# Allegro board S071AA-0413-20260427_Power.brd (continued)
## Routing (per net, layer and track width the routed paths; a pad name or vN(x,y) marks a point on that pad's centre or on a via; arc(x,y) is an arc through that point) (continued)
23.94,332.74 ; CSDPS229.B14 22.32,332.74 ; D118.B5 25.67,79.55 ; D118.B5 24.86,78.74 ; D118.B5 25.67,77.93 ; D118.B5 26.48,78.74 ; 14.7,78.74 D118.B1 ; D118.B1 16.32,78.74 ; D118.B1 15.51,79.55 ; D118.B1 15.51,77.93 ; D101.A15 198.39,94.79 ; D101.A15 198.39,93.17 ; D101.A15 197.58,93.98 ; D101.A15 199.2,93.98 ; CSDPS225.B8 112.84,332.74 ; CSDPS225.B8 112.03,333.55 ; CSDPS225.B8 111.22,332.74 ; CSDPS225.B8 112.03,331.93 ; 95.98,55.88 D123.A4 ; D123.A4 97.6,55.88 ; D123.A4 96.79,55.07 ; D123.A4 96.79,56.69 ; D102.B4 170.45,82.09 ; D102.B4 169.64,81.28 ; D102.B4 171.26,81.28 ; D102.B4 170.45,80.47 ; UHC230.G3_4 47.83,354.35 ; UHC230.G3_4 48.64,353.54 ; UHC230.G3_4 47.83,352.73 ; UHC230.G3_4 47.02,353.54 ; D432.A13 25.67,407.21 ; D432.A13 24.86,406.4 ; D432.A13 25.67,405.59 ; D432.A13 26.48,406.4 ; 29.94,330.2 CSDPS229.C11 ; CSDPS229.C11 31.56,330.2 ; CSDPS229.C11 30.75,329.39 ; CSDPS229.C11 30.75,331.01 ; 189.96,96.52 D101.A12 ; D101.A12 190.77,95.71 ; D101.A12 191.58,96.52 ; D101.A12 190.77,97.33 ; 175.53,387.81 D116.B12 ; D116.B12 176.34,388.62 ; D116.B12 175.53,389.43 ; D116.B12 174.72,388.62 ; 193.31,98.25 D101.B13 ; D101.B13 192.5,99.06 ; D101.B13 194.12,99.06 ; D101.B13 193.31,99.87 ; 276.32,391.16 D112.B1 ; D112.B1 277.13,391.97 ; D112.B1 277.13,390.35 ; D112.B1 277.94,391.16 ; D227.A15 94.25,376.73 ; D227.A15 95.06,375.92 ; D227.A15 93.44,375.92 ; D227.A15 94.25,375.11 ; 190.77,39.83 D104.B12 ; D104.B12 191.58,40.64 ; D104.B12 189.96,40.64 ; D104.B12 190.77,41.45 ; 89.17,370.03 D227.B17 ; D227.B17 89.98,370.84 ; D227.B17 89.17,371.65 ; D227.B17 88.36,370.84 ; D119.B12 44.26,60.96 ; D119.B12 43.45,61.77 ; D119.B12 42.64,60.96 ; D119.B12 43.45,60.15 ; 261.08,19.05 DPS1.C11 ; DPS1.C11 261.89,18.24 ; DPS1.C11 262.7,19.05 ; DPS1.C11 261.89,19.86 ; D110.A16 239.03,353.87 ; D110.A16 238.22,353.06 ; D110.A16 239.03,352.25 ; D110.A16 239.84,353.06 ; 180.61,347.17 D114.B10 ; D114.B10 179.8,347.98 ; D114.B10 181.42,347.98 ; D114.B10 180.61,348.79 ; D428.A17 89.17,407.21 ; D428.A17 88.36,406.4 ; D428.A17 89.17,405.59 ; D428.A17 89.98,406.4 ; 45.18,370.84 D231.B5 ; D231.B5 45.99,371.65 ; D231.B5 45.99,370.03 ; D231.B5 46.8,370.84 ; D431.B15 20.59,381.81 ; D431.B15 20.59,380.19 ; D431.B15 19.78,381 ; D431.B15 21.4,381 ; D119.A1 16.32,53.34 ; D119.A1 15.51,54.15 ; D119.A1 14.7,53.34 ; D119.A1 15.51,52.53 ; UHC230.G3_8 45.19,351.79 ; UHC230.G3_8 43.57,351.79 ; UHC230.G3_8 44.38,352.6 ; UHC230.G3_8 44.38,350.98 ; 24.86,401.32 D432.B13 ; D432.B13 26.48,401.32 ; D432.B13 25.67,402.13 ; D432.B13 25.67,400.51 ; D119.A8 34.1,55.88 ; D119.A8 33.29,55.07 ; D119.A8 32.48,55.88 ; D119.A8 33.29,56.69 ; D110.B12 250,347.98 ; D110.B12 249.19,348.79 ; D110.B12 249.19,347.17 ; D110.B12 248.38,347.98 ; 200.12,347.98 D114.B2 ; D114.B2 201.74,347.98 ; D114.B2 200.93,347.17 ; D114.B2 200.93,348.79 ; 189.96,347.98 D114.B6 ; D114.B6 190.77,348.79 ; D114.B6 190.77,347.17 ; D114.B6 191.58,347.98 ; D227.B15 94.25,371.65 ; D227.B15 93.44,370.84 ; D227.B15 95.06,370.84 ; D227.B15 94.25,370.03 ; 101.87,352.25 CSDPS226.B12 ; CSDPS226.B12 101.87,353.87 ; CSDPS226.B12 101.06,353.06 ; CSDPS226.B12 102.68,353.06 ; D122.A5 100.14,73.66 ; D122.A5 99.33,74.47 ; D122.A5 98.52,73.66 ; D122.A5 99.33,72.85 ; D227.B9 110.3,370.84 ; D227.B9 109.49,371.65 ; D227.B9 108.68,370.84 ; D227.B9 109.49,370.03 ; D102.A16 201.74,76.2 ; D102.A16 200.93,77.01 ; D102.A16 200.93,75.39 ; D102.A16 200.12,76.2 ; 167.1,38.1 D104.B3 ; D104.B3 168.72,38.1 ; D104.B3 167.91,38.91 ; D104.B3 167.91,37.29 ; D108.A11 261.89,33.83 ; D108.A11 262.7,33.02 ; D108.A11 261.08,33.02 ; D108.A11 261.89,32.21 ; 35.83,405.59 D432.A9 ; D432.A9 36.64,406.4 ; D432.A9 35.83,407.21 ; D432.A9 35.02,406.4 ; 124.73,349.71 CSDPS226.C3 ; CSDPS226.C3 123.92,350.52 ; CSDPS226.C3 124.73,351.33 ; CSDPS226.C3 125.54,350.52 ; 202.66,412.75 DPS2.B01 ; DPS2.B01 204.28,412.75 ; DPS2.B01 203.47,413.56 ; DPS2.B01 203.47,411.94 ; D231.A3 51.88,375.92 ; D231.A3 51.07,375.11 ; D231.A3 51.07,376.73 ; D231.A3 50.26,375.92 ; 108.68,99.06 D121.B9 ; D121.B9 109.49,99.87 ; D121.B9 109.49,98.25 ; D121.B9 110.3,99.06 ; D118.B15 51.88,78.74 ; D118.B15 51.07,79.55 ; D118.B15 51.07,77.93 ; D118.B15 50.26,78.74 ; 251.73,354.79 D110.A11 ; D110.A11 251.73,356.41 ; D110.A11 250.92,355.6 ; D110.A11 252.54,355.6 ; D114.B9 183.15,351.33 ; D114.B9 182.34,350.52 ; D114.B9 183.96,350.52 ; D114.B9 183.15,349.71 ; D227.B1 130.62,370.84 ; D227.B1 129.81,371.65 ; D227.B1 129,370.84 ; D227.B1 129.81,370.03 ; 38.37,75.39 D118.A10 ; D118.A10 39.18,76.2 ; D118.A10 37.56,76.2 ; D118.A10 38.37,77.01 ; 108.68,53.34 D123.A9 ; D123.A9 109.49,54.15 ; D123.A9 109.49,52.53 ; D123.A9 110.3,53.34 ; D118.A13 45.99,74.47 ; D118.A13 46.8,73.66 ; D118.A13 45.99,72.85 ; D118.A13 45.18,73.66 ; D117.B12 44.26,101.6 ; D117.B12 43.45,102.41 ; D117.B12 43.45,100.79 ; D117.B12 42.64,101.6 ; D119.B15 51.07,59.23 ; D119.B15 51.88,58.42 ; D119.B15 50.26,58.42 ; D119.B15 51.07,57.61 ; DPS3.A05 100.14,13.97 ; DPS3.A05 99.33,14.78 ; DPS3.A05 99.33,13.16 ; DPS3.A05 98.52,13.97 ; D118.B11 41.72,78.74 ; D118.B11 40.1,78.74 ; D118.B11 40.91,77.93 ; D118.B11 40.91,79.55 ; 22.32,81.28 D118.B4 ; D118.B4 23.13,80.47 ; D118.B4 23.13,82.09 ; D118.B4 23.94,81.28 ; D432.B14 23.94,398.78 ; D432.B14 23.13,399.59 ; D432.B14 23.13,397.97 ; D432.B14 22.32,398.78 ; 129,330.2 CSDPS225.C1 ; CSDPS225.C1 129.81,331.01 ; CSDPS225.C1 129.81,329.39 ; CSDPS225.C1 130.62,330.2 ; 20.59,385.27 D431.A15 ; D431.A15 19.78,386.08 ; D431.A15 21.4,386.08 ; D431.A15 20.59,386.89 ; 172.18,78.74 D102.B5 ; D102.B5 172.99,79.55 ; D102.B5 173.8,78.74 ; D102.B5 172.99,77.93 ; D101.A14 195.85,97.33 ; D101.A14 195.04,96.52 ; D101.A14 196.66,96.52 ; D101.A14 195.85,95.71 ; 172.99,390.35 D116.B13 ; D116.B13 173.8,391.16 ; D116.B13 172.18,391.16 ; D116.B13 172.99,391.97 ; D107.A7 251.73,54.15 ; D107.A7 251.73,52.53 ; D107.A7 250.92,53.34 ; D107.A7 252.54,53.34 ; D101.B5 172.99,99.87 ; D101.B5 172.99,98.25 ; D101.B5 173.8,99.06 ; D101.B5 172.18,99.06 ; D428.B3 124.73,402.13 ; D428.B3 123.92,401.32 ; D428.B3 124.73,400.51 ; D428.B3 125.54,401.32 ; 106.95,367.49 D227.B10 ; D227.B10 106.14,368.3 ; D227.B10 107.76,368.3 ; D227.B10 106.95,369.11 ; D122.A16 127.27,77.01 ; D122.A16 126.46,76.2 ; D122.A16 127.27,75.39 ; D122.A16 128.08,76.2 ; D104.A6 175.53,36.37 ; D104.A6 176.34,35.56 ; D104.A6 175.53,34.75 ; D104.A6 174.72,35.56 ; 28.21,55.07 D119.A6 ; D119.A6 29.02,55.88 ; D119.A6 27.4,55.88 ; D119.A6 28.21,56.69 ; D121.A10 112.84,96.52 ; D121.A10 112.03,95.71 ; D121.A10 112.03,97.33 ; D121.A10 111.22,96.52 ; D427.A1 129.81,386.89 ; D427.A1 130.62,386.08 ; D427.A1 129.81,385.27 ; D427.A1 129,386.08 ; DPS3.B01 89.98,16.51 ; DPS3.B01 89.17,17.32 ; DPS3.B01 89.17,15.7 ; DPS3.B01 88.36,16.51 ; 188.23,349.71 D114.B7 ; D114.B7 187.42,350.52 ; D114.B7 188.23,351.33 ; D114.B7 189.04,350.52 ; D103.A4 170.45,56.69 ; D103.A4 171.26,55.88 ; D103.A4 169.64,55.88 ; D103.A4 170.45,55.07 ; D431.A3 51.88,386.08 ; D431.A3 50.26,386.08 ; D431.A3 51.07,385.27 ; D431.A3 51.07,386.89 ; 48.53,392.89 D232.A4 ; D232.A4 48.53,394.51 ; D232.A4 47.72,393.7 ; D232.A4 49.34,393.7 ; 245.84,19.05 DPS1.C05 ; DPS1.C05 246.65,19.86 ; DPS1.C05 247.46,19.05 ; DPS1.C05 246.65,18.24 ; D106.B11 262.7,78.74 ; D106.B11 261.08,78.74 ; D106.B11 261.89,79.55 ; D106.B11 261.89,77.93 ; D108.A10 259.35,36.37 ; D108.A10 260.16,35.56 ; D108.A10 259.35,34.75 ; D108.A10 258.54,35.56 ; CSDPS226.C1 129.81,351.33 ; CSDPS226.C1 130.62,350.52 ; CSDPS226.C1 129.81,349.71 ; CSDPS226.C1 129,350.52 ; D232.B3 51.07,391.97 ; D232.B3 51.07,390.35 ; D232.B3 50.26,391.16 ; D232.B3 51.88,391.16 ; D106.A1 236.49,74.47 ; D106.A1 236.49,72.85 ; D106.A1 235.68,73.66 ; D106.A1 237.3,73.66 ; 195.85,347.17 D114.B4 ; D114.B4 196.66,347.98 ; D114.B4 195.04,347.98 ; D114.B4 195.85,348.79 ; 202.66,396.24 D116.A1 ; D116.A1 203.47,397.05 ; D116.A1 204.28,396.24 ; D116.A1 203.47,395.43 ; D117.A8 33.29,97.33 ; D117.A8 34.1,96.52 ; D117.A8 32.48,96.52 ; D117.A8 33.29,95.71 ; 35.83,32.21 D120.A9 ; D120.A9 35.83,33.83 ; D120.A9 36.64,33.02 ; D120.A9 35.02,33.02 ; D427.A5 120.46,386.08 ; D427.A5 119.65,386.89 ; D427.A5 119.65,385.27 ; D427.A5 118.84,386.08 ; D105.A15 272.86,93.98 ; D105.A15 272.05,93.17 ; D105.A15 272.05,94.79 ; D105.A15 271.24,93.98 ; 187.42,335.28 D113.A7 ; D113.A7 188.23,334.47 ; D113.A7 189.04,335.28 ; D113.A7 188.23,336.09 ; D431.B2 53.61,379.27 ; D431.B2 53.61,377.65 ; D431.B2 52.8,378.46 ; D431.B2 54.42,378.46 ; D115.A11 178.88,375.92 ; D115.A11 177.26,375.92 ; D115.A11 178.07,376.73 ; D115.A11 178.07,375.11 ; UHC230.G4_1 19.99,355.29 ; UHC230.G4_1 18.37,355.29 ; UHC230.G4_1 19.18,356.1 ; UHC230.G4_1 19.18,354.48 ; D104.B2 166.18,40.64 ; D104.B2 164.56,40.64 ; D104.B2 165.37,39.83 ; D104.B2 165.37,41.45 ; 106.14,342.9 CSDPS425.B10 ; CSDPS425.B10 106.95,342.09 ; CSDPS425.B10 106.95,343.71 ; CSDPS425.B10 107.76,342.9 ; 126.46,35.56 D124.A16 ; D124.A16 127.27,36.37 ; D124.A16 128.08,35.56 ; D124.A16 127.27,34.75 ; 266.97,370.03 D111.B5 ; D111.B5 266.97,371.65 ; D111.B5 266.16,370.84 ; D111.B5 267.78,370.84 ; 195.85,331.93 D113.A4 ; D113.A4 196.66,332.74 ; D113.A4 195.04,332.74 ; D113.A4 195.85,333.55 ; 28.21,39.83 D120.B6 ; D120.B6 27.4,40.64 ; D120.B6 28.21,41.45 ; D120.B6 29.02,40.64 ; 188.23,72.85 D102.A11 ; D102.A11 189.04,73.66 ; D102.A11 187.42,73.66 ; D102.A11 188.23,74.47 ; 172.18,370.84 D115.B13 ; D115.B13 173.8,370.84 ; D115.B13 172.99,371.65 ; D115.B13 172.99,370.03 ; DPS2.C11 178.07,411.02 ; DPS2.C11 177.26,410.21 ; DPS2.C11 178.88,410.21 ; DPS2.C11 178.07,409.4 ; 98.52,386.08 D427.A13 ; D427.A13 99.33,385.27 ; D427.A13 99.33,386.89 ; D427.A13 100.14,386.08 ; 251.73,334.47 D109.A11 ; D109.A11 252.54,335.28 ; D109.A11 250.92,335.28 ; D109.A11 251.73,336.09 ; CSDPS425.C1 129.81,341.17 ; CSDPS425.C1 129,340.36 ; CSDPS425.C1 130.62,340.36 ; CSDPS425.C1 129.81,339.55 ; 264.43,367.49 D111.B6 ; D111.B6 264.43,369.11 ; D111.B6 263.62,368.3 ; D111.B6 265.24,368.3 ; D122.A6 102.68,76.2 ; D122.A6 101.87,75.39 ; D122.A6 101.06,76.2 ; D122.A6 101.87,77.01 ; D120.B15 51.88,38.1 ; D120.B15 50.26,38.1 ; D120.B15 51.07,38.91 ; D120.B15 51.07,37.29 ; 272.05,77.93 D106.B15 ; D106.B15 272.86,78.74 ; D106.B15 272.05,79.55 ; D106.B15 271.24,78.74 ; 45.53,352.73 UHC230.G3_5 ; UHC230.G3_5 45.53,354.35 ; UHC230.G3_5 44.72,353.54 ; UHC230.G3_5 46.34,353.54 ; 40.91,370.03 D231.B7 ; D231.B7 40.1,370.84 ; D231.B7 41.72,370.84 ; D231.B7 40.91,371.65 ; D110.A13 247.46,355.6 ; D110.A13 245.84,355.6 ; D110.A13 246.65,356.41 ; D110.A13 246.65,354.79 ; D427.B3 125.54,381 ; D427.B3 123.92,381 ; D427.B3 124.73,381.81 ; D427.B3 124.73,380.19 ; CSDPS226.B4 122.19,353.87 ; CSDPS226.B4 123,353.06 ; CSDPS226.B4 122.19,352.25 ; CSDPS226.B4 121.38,353.06 ; 52.8,368.3 D231.B2 ; D231.B2 54.42,368.3 ; D231.B2 53.61,367.49 ; D231.B2 53.61,369.11 ; D115.B15 168.72,370.84 ; D115.B15 167.91,370.03 ; D115.B15 167.1,370.84 ; D115.B15 167.91,371.65 ; D108.A6 249.19,36.37 ; D108.A6 248.38,35.56 ; D108.A6 250,35.56 ; D108.A6 249.19,34.75 ; 259.35,392.89 D112.A8 ; D112.A8 259.35,394.51 ; D112.A8 260.16,393.7 ; D112.A8 258.54,393.7 ; D103.A9 183.15,54.15 ; D103.A9 183.96,53.34 ; D103.A9 183.15,52.53 ; D103.A9 182.34,53.34 ; D114.A11 178.88,355.6 ; D114.A11 177.26,355.6 ; D114.A11 178.07,354.79 ; D114.A11 178.07,356.41 ; D114.A14 171.26,353.06 ; D114.A14 170.45,353.87 ; D114.A14 169.64,353.06 ; D114.A14 170.45,352.25 ; DPS1.C01 237.3,19.05 ; DPS1.C01 236.49,18.24 ; DPS1.C01 236.49,19.86 ; DPS1.C01 235.68,19.05 ; 16.88,357.64 UHC430.G1_12 ; UHC430.G1_12 16.07,358.45 ; UHC430.G1_12 17.69,358.45 ; UHC430.G1_12 16.88,359.26 ; 178.07,414.48 DPS2.A11 ; DPS2.A11 178.07,416.1 ; DPS2.A11 178.88,415.29 ; DPS2.A11 177.26,415.29 ; D112.B13 246.65,391.97 ; D112.B13 246.65,390.35 ; D112.B13 247.46,391.16 ; D112.B13 245.84,391.16 ; 269.51,347.17 D110.B4 ; D110.B4 269.51,348.79 ; D110.B4 268.7,347.98 ; D110.B4 270.32,347.98 ; D431.A10 33.29,384.35 ; D431.A10 34.1,383.54 ; D431.A10 33.29,382.73 ; D431.A10 32.48,383.54 ; 108.68,375.92 D227.A9 ; D227.A9 109.49,376.73 ; D227.A9 109.49,375.11 ; D227.A9 110.3,375.92 ; 167.1,415.29 DPS2.A15 ; DPS2.A15 168.72,415.29 ; DPS2.A15 167.91,416.1 ; DPS2.A15 167.91,414.48 ; 94.25,405.59 D428.A15 ; D428.A15 94.25,407.21 ; D428.A15 95.06,406.4 ; D428.A15 93.44,406.4 ; D113.A3 198.39,336.09 ; D113.A3 197.58,335.28 ; D113.A3 198.39,334.47 ; D113.A3 199.2,335.28 ; D120.A16 54.42,35.56 ; D120.A16 52.8,35.56 ; D120.A16 53.61,36.37 ; D120.A16 53.61,34.75 ; D116.A3 199.2,396.24 ; D116.A3 197.58,396.24 ; D116.A3 198.39,395.43 ; D116.A3 198.39,397.05 ; D431.A8 38.37,384.35 ; D431.A8 37.56,383.54 ; D431.A8 39.18,383.54 ; D431.A8 38.37,382.73 ; 124.73,329.39 CSDPS225.C3 ; CSDPS225.C3 125.54,330.2 ; CSDPS225.C3 123.92,330.2 ; CSDPS225.C3 124.73,331.01 ; 27.4,35.56 D120.A6 ; D120.A6 29.02,35.56 ; D120.A6 28.21,34.75 ; D120.A6 28.21,36.37 ; D122.A3 95.06,73.66 ; D122.A3 94.25,72.85 ; D122.A3 94.25,74.47 ; D122.A3 93.44,73.66 ; DPS8.C01 56.15,411.02 ; DPS8.C01 55.34,410.21 ; DPS8.C01 56.96,410.21 ; DPS8.C01 56.15,409.4 ; D107.A16 275.4,55.88 ; D107.A16 274.59,55.07 ; D107.A16 273.78,55.88 ; D107.A16 274.59,56.69 ; 22.32,368.3 D231.B14 ; D231.B14 23.94,368.3 ; D231.B14 23.13,367.49 ; D231.B14 23.13,369.11 ; 19.78,406.4 D432.A15 ; D432.A15 21.4,406.4 ; D432.A15 20.59,407.21 ; D432.A15 20.59,405.59 ; 37.56,388.62 D232.B8 ; D232.B8 38.37,389.43 ; D232.B8 39.18,388.62 ; D232.B8 38.37,387.81 ; D101.B6 175.53,102.41 ; D101.B6 175.53,100.79 ; D101.B6 176.34,101.6 ; UHC230.G4_12 17.69,348.29 ; UHC230.G4_12 16.88,349.1 ; UHC230.G4_12 16.07,348.29 ; UHC230.G4_12 16.88,347.48 ; 50.26,99.06 D117.B15 ; D117.B15 51.07,99.87 ; D117.B15 51.07,98.25 ; 174.72,332.74 D113.A12 ; D113.A12 175.53,331.93 ; D113.A12 176.34,332.74 ; D113.A12 175.53,333.55 ; 187.42,78.74 D102.B11 ; D102.B11 188.23,77.93 ; D102.B11 188.23,79.55 ; D102.B11 189.04,78.74 ; 274.59,60.15 D107.B16 ; D107.B16 273.78,60.96 ; D107.B16 274.59,61.77 ; D107.B16 275.4,60.96 ; D122.B7 105.22,78.74 ; D122.B7 104.41,77.93 ; D122.B7 103.6,78.74 ; D122.B7 104.41,79.55 ; CSDPS425.B6 117.92,342.9 ; CSDPS425.B6 117.11,343.71 ; CSDPS425.B6 116.3,342.9 ; CSDPS425.B6 117.11,342.09 ; D101.A16 200.93,97.33 ; D101.A16 200.93,95.71 ; D101.A16 201.74,96.52 ; D101.A16 200.12,96.52 ; 111.22,383.54 D427.A8 ; D427.A8 112.84,383.54 ; D427.A8 112.03,384.35 ; D427.A8 112.03,382.73 ; 198.39,77.93 D102.B15 ; D102.B15 199.2,78.74 ; D102.B15 198.39,79.55 ; D102.B15 197.58,78.74 ; D102.A15 199.2,73.66 ; D102.A15 198.39,72.85 ; D102.A15 198.39,74.47 ; D102.A15 197.58,73.66 ; 35.02,38.1 D120.B9 ; D120.B9 35.83,37.29 ; D120.B9 35.83,38.91 ; D120.B9 36.64,38.1 ; 254.27,331.93 D109.A10 ; D109.A10 253.46,332.74 ; D109.A10 255.08,332.74 ; D109.A10 254.27,333.55 ; 200.93,331.93 D113.A2 ; D113.A2 200.12,332.74 ; D113.A2 200.93,333.55 ; D113.A2 201.74,332.74 ; 256.81,52.53 D107.A9 ; D107.A9 256.81,54.15 ; D107.A9 257.62,53.34 ; D107.A9 256,53.34 ; D106.B16 274.59,82.09 ; D106.B16 275.4,81.28 ; D106.B16 273.78,81.28 ; D106.B16 274.59,80.47 ; 24.86,330.2 CSDPS229.C13 ; CSDPS229.C13 25.67,331.01 ; CSDPS229.C13 25.67,329.39 ; CSDPS229.C13 26.48,330.2 ; 245.84,16.51 DPS1.B05 ; DPS1.B05 246.65,17.32 ; DPS1.B05 247.46,16.51 ; DPS1.B05 246.65,15.7 ; 169.64,96.52 D101.A4 ; D101.A4 170.45,97.33 ; D101.A4 171.26,96.52 ; D101.A4 170.45,95.71 ; D119.A7 31.56,53.34 ; D119.A7 30.75,52.53 ; D119.A7 29.94,53.34 ; D119.A7 30.75,54.15 ; 269.51,55.07 D107.A14 ; D107.A14 270.32,55.88 ; D107.A14 268.7,55.88 ; D107.A14 269.51,56.69 ; 185.69,80.47 D102.B10 ; D102.B10 186.5,81.28 ; D102.B10 184.88,81.28 ; D102.B10 185.69,82.09 ; D124.B9 110.3,38.1 ; D124.B9 109.49,38.91 ; D124.B9 108.68,38.1 ; D124.B9 109.49,37.29 ; 253.46,101.6 D105.B8 ; D105.B8 255.08,101.6 ; D105.B8 254.27,102.41 ; D105.B8 254.27,100.79 ; 29.94,396.24 D232.A11 ; D232.A11 31.56,396.24 ; D232.A11 30.75,397.05 ; D232.A11 30.75,395.43 ; 245.84,375.92 D111.A13 ; D111.A13 247.46,375.92 ; D111.A13 246.65,375.11 ; D111.A13 246.65,376.73 ; D105.A14 270.32,96.52 ; D105.A14 268.7,96.52 ; D105.A14 269.51,95.71 ; D105.A14 269.51,97.33 ; D427.B12 101.87,379.27 ; D427.B12 102.68,378.46 ; D427.B12 101.06,378.46 ; D427.B12 101.87,377.65 ; 17.24,342.9 CSDPS429.B16 ; CSDPS429.B16 18.05,342.09 ; CSDPS429.B16 18.86,342.9 ; CSDPS429.B16 18.05,343.71 ; UHC430.G1_8 15.39,361.95 ; UHC430.G1_8 14.58,361.14 ; UHC430.G1_8 14.58,362.76 ; UHC430.G1_8 13.77,361.95 ; 28.21,372.57 D231.A12 ; D231.A12 27.4,373.38 ; D231.A12 29.02,373.38 ; D231.A12 28.21,374.19 ; 20.59,329.39 CSDPS229.C15 ; CSDPS229.C15 20.59,331.01 ; CSDPS229.C15 21.4,330.2 ; CSDPS229.C15 19.78,330.2 ; 175.53,80.47 D102.B6 ; D102.B6 176.34,81.28 ; D102.B6 174.72,81.28 ; D102.B6 175.53,82.09 ; 198.39,370.03 D115.B3 ; D115.B3 197.58,370.84 ; D115.B3 199.2,370.84 ; D115.B3 198.39,371.65 ; D228.A3 124.73,397.05 ; D228.A3 124.73,395.43 ; D228.A3 123.92,396.24 ; D228.A3 125.54,396.24 ; DPS8.A11 31.56,415.29 ; DPS8.A11 30.75,416.1 ; DPS8.A11 30.75,414.48 ; DPS8.A11 29.94,415.29 ; 95.98,332.74 CSDPS225.B14 ; CSDPS225.B14 96.79,333.55 ; CSDPS225.B14 97.6,332.74 ; CSDPS225.B14 96.79,331.93 ; 248.38,368.3 D111.B12 ; D111.B12 249.19,369.11 ; D111.B12 250,368.3 ; D111.B12 249.19,367.49 ; 118.84,73.66 D122.A13 ; D122.A13 119.65,74.47 ; D122.A13 120.46,73.66 ; D122.A13 119.65,72.85 ; 113.76,406.4 D428.A7 ; D428.A7 114.57,407.21 ; D428.A7 115.38,406.4 ; D428.A7 114.57,405.59 ; D110.B1 277.13,351.33 ; D110.B1 277.94,350.52 ; D110.B1 276.32,350.52 ; D110.B1 277.13,349.71 ; 114.57,77.93 D122.B11 ; D122.B11 115.38,78.74 ; D122.B11 113.76,78.74 ; D122.B11 114.57,79.55 ; CSDPS229.C9 36.64,330.2 ; CSDPS229.C9 35.83,331.01 ; CSDPS229.C9 35.02,330.2 ; CSDPS229.C9 35.83,329.39 ; 241.57,98.25 D105.B3 ; D105.B3 240.76,99.06 ; D105.B3 242.38,99.06 ; D105.B3 241.57,99.87 ; CSDPS226.B16 91.71,353.87 ; CSDPS226.B16 92.52,353.06 ; CSDPS226.B16 90.9,353.06 ; CSDPS226.B16 91.71,352.25 ; 52.8,40.64 D120.B16 ; D120.B16 54.42,40.64 ; D120.B16 53.61,39.83 ; D120.B16 53.61,41.45 ; D108.B7 252.54,38.1 ; D108.B7 251.73,37.29 ; D108.B7 251.73,38.91 ; D108.B7 250.92,38.1 ; 179.8,353.06 D114.A10 ; D114.A10 180.61,353.87 ; D114.A10 181.42,353.06 ; D114.A10 180.61,352.25 ; 88.36,391.16 D228.B17 ; D228.B17 89.17,390.35 ; D228.B17 89.17,391.97 ; D228.B17 89.98,391.16 ; 273.78,347.98 D110.B2 ; D110.B2 274.59,347.17 ; D110.B2 274.59,348.79 ; D110.B2 275.4,347.98 ; 116.3,101.6 D121.B12 ; D121.B12 117.11,102.41 ; D121.B12 117.11,100.79 ; D121.B12 117.92,101.6 ; 25.67,37.29 D120.B5 ; D120.B5 25.67,38.91 ; D120.B5 24.86,38.1 ; D120.B5 26.48,38.1
  L04_DGND w0.203: 129.81,339.55 CSDPS425.C1 ; CSDPS425.C1 129,340.36 ; CSDPS425.C1 130.62,340.36 ; CSDPS425.C1 129.81,341.17 ; 126.46,35.56 D124.A16 ; D124.A16 127.27,34.75 ; D124.A16 127.27,36.37 ; D124.A16 128.08,35.56 ; D119.A7 31.56,53.34 ; D119.A7 30.75,54.15 ; D119.A7 29.94,53.34 ; D119.A7 30.75,52.53 ; D106.B12 264.43,82.09 ; D106.B12 265.24,81.28 ; D106.B12 264.43,80.47 ; D106.B12 263.62,81.28 ; 96.79,352.25 CSDPS226.B14 ; CSDPS226.B14 97.6,353.06 ; CSDPS226.B14 95.98,353.06 ; CSDPS226.B14 96.79,353.87 ; UHC230.G4_11 19.99,348.29 ; UHC230.G4_11 19.18,349.1 ; UHC230.G4_11 19.18,347.48 ; UHC230.G4_11 18.37,348.29 ; 96.79,377.65 D427.B14 ; D427.B14 96.79,379.27 ; D427.B14 95.98,378.46 ; D427.B14 97.6,378.46 ; D107.A7 251.73,54.15 ; D107.A7 250.92,53.34 ; D107.A7 251.73,52.53 ; D107.A7 252.54,53.34 ; D112.A16 239.84,393.7 ; D112.A16 238.22,393.7 ; D112.A16 239.03,394.51 ; D112.A16 239.03,392.89 ; 248.38,101.6 D105.B6 ; D105.B6 249.19,102.41 ; D105.B6 250,101.6 ; D105.B6 249.19,100.79 ; 33.29,377.65 D431.B10 ; D431.B10 33.29,379.27 ; D431.B10 34.1,378.46 ; D431.B10 32.48,378.46 ; 238.22,353.06 D110.A16 ; D110.A16 239.03,353.87 ; D110.A16 239.03,352.25 ; D110.A16 239.84,353.06 ; D101.A16 201.74,96.52 ; D101.A16 200.93,95.71 ; D101.A16 200.12,96.52 ; D101.A16 200.93,97.33 ; UHC430.G1 17.69,361.95 ; UHC430.G1 16.88,361.14 ; UHC430.G1 16.07,361.95 ; UHC430.G1 16.88,362.76 ; D101.B16 200.93,102.41 ; D101.B16 200.12,101.6 ; D101.B16 201.74,101.6 ; D101.B16 200.93,100.79 ; 94.25,359.87 CSDPS426.C15 ; CSDPS426.C15 93.44,360.68 ; CSDPS426.C15 94.25,361.49 ; CSDPS426.C15 95.06,360.68 ; 197.58,391.16 D116.B3 ; D116.B3 199.2,391.16 ; D116.B3 198.39,390.35 ; D116.B3 198.39,391.97 ; D432.B10 34.1,398.78 ; D432.B10 33.29,397.97 ; D432.B10 32.48,398.78 ; D432.B10 33.29,399.59 ; 95.98,60.96 D123.B4 ; D123.B4 97.6,60.96 ; D123.B4 96.79,60.15 ; D123.B4 96.79,61.77 ; D121.B12 117.11,102.41 ; D121.B12 116.3,101.6 ; D121.B12 117.11,100.79 ; D121.B12 117.92,101.6 ; 113.76,93.98 D121.A11 ; D121.A11 115.38,93.98 ; D121.A11 114.57,94.79 ; D121.A11 114.57,93.17 ; DPS1.B11 262.7,16.51 ; DPS1.B11 261.89,17.32 ; DPS1.B11 261.89,15.7 ; DPS1.B11 261.08,16.51 ; 177.26,350.52 D114.B11 ; D114.B11 178.07,351.33 ; D114.B11 178.07,349.71 ; D114.B11 178.88,350.52 ; D427.A13 100.14,386.08 ; D427.A13 99.33,385.27 ; D427.A13 99.33,386.89 ; D427.A13 98.52,386.08 ; D123.B7 105.22,58.42 ; D123.B7 104.41,57.61 ; D123.B7 103.6,58.42 ; D123.B7 104.41,59.23 ; D115.B6 190.77,369.11 ; D115.B6 190.77,367.49 ; D115.B6 189.96,368.3 ; D115.B6 191.58,368.3 ; 250.92,93.98 D105.A7 ; D105.A7 251.73,94.79 ; D105.A7 252.54,93.98 ; D105.A7 251.73,93.17 ; D107.A10 259.35,56.69 ; D107.A10 259.35,55.07 ; D107.A10 258.54,55.88 ; D107.A10 260.16,55.88 ; UHC430.G2_10 45.53,361.01 ; UHC430.G2_10 46.34,360.2 ; UHC430.G2_10 44.72,360.2 ; UHC430.G2_10 45.53,359.39 ; 28.21,392.89 D232.A12 ; D232.A12 28.21,394.51 ; D232.A12 29.02,393.7 ; D232.A12 27.4,393.7 ; 258.54,35.56 D108.A10 ; D108.A10 259.35,34.75 ; D108.A10 260.16,35.56 ; D108.A10 259.35,36.37 ; 187.42,391.16 D116.B7 ; D116.B7 188.23,390.35 ; D116.B7 189.04,391.16 ; D116.B7 188.23,391.97 ; D104.A2 166.18,35.56 ; D104.A2 164.56,35.56 ; D104.A2 165.37,34.75 ; D104.A2 165.37,36.37 ; 112.03,372.57 D227.A8 ; D227.A8 112.84,373.38 ; D227.A8 111.22,373.38 ; D227.A8 112.03,374.19 ; 104.41,375.11 D227.A11 ; D227.A11 105.22,375.92 ; D227.A11 103.6,375.92 ; D227.A11 104.41,376.73 ; 261.89,395.43 D112.A7 ; D112.A7 261.08,396.24 ; D112.A7 261.89,397.05 ; D112.A7 262.7,396.24 ; 24.86,375.92 D231.A13 ; D231.A13 26.48,375.92 ; D231.A13 25.67,375.11 ; D231.A13 25.67,376.73 ; D103.B7 178.07,59.23 ; D103.B7 178.07,57.61 ; D103.B7 178.88,58.42 ; D103.B7 177.26,58.42 ; D112.A1 277.94,396.24 ; D112.A1 277.13,397.05 ; D112.A1 277.13,395.43 ; D112.A1 276.32,396.24 ; 246.65,32.21 D108.A5 ; D108.A5 245.84,33.02 ; D108.A5 247.46,33.02 ; D108.A5 246.65,33.83 ; 195.85,347.17 D114.B4 ; D114.B4 195.04,347.98 ; D114.B4 195.85,348.79 ; D114.B4 196.66,347.98 ; 104.41,329.39 CSDPS225.C11 ; CSDPS225.C11 103.6,330.2 ; CSDPS225.C11 104.41,331.01 ; CSDPS225.C11 105.22,330.2 ; D232.B4 48.53,389.43 ; D232.B4 48.53,387.81 ; D232.B4 47.72,388.62 ; D232.B4 49.34,388.62 ; D120.A15 51.88,33.02 ; D120.A15 51.07,33.83 ; D120.A15 50.26,33.02 ; D120.A15 51.07,32.21 ; CSDPS426.B4 123,363.22 ; CSDPS426.B4 122.19,362.41 ; CSDPS426.B4 121.38,363.22 ; CSDPS426.B4 122.19,364.03 ; 103.6,53.34 D123.A7 ; D123.A7 104.41,54.15 ; D123.A7 104.41,52.53 ; D123.A7 105.22,53.34 ; 121.38,353.06 CSDPS226.B4 ; CSDPS226.B4 122.19,352.25 ; CSDPS226.B4 123,353.06 ; CSDPS226.B4 122.19,353.87 ; D110.B3 272.05,351.33 ; D110.B3 272.86,350.52 ; D110.B3 271.24,350.52 ; D110.B3 272.05,349.71 ; 104.41,359.87 CSDPS426.C11 ; CSDPS426.C11 104.41,361.49 ; CSDPS426.C11 103.6,360.68 ; CSDPS426.C11 105.22,360.68 ; D103.A2 165.37,56.69 ; D103.A2 164.56,55.88 ; D103.A2 166.18,55.88 ; D103.A2 165.37,55.07 ; 164.56,76.2 D102.A2 ; D102.A2 165.37,75.39 ; D102.A2 165.37,77.01 ; D102.A2 166.18,76.2 ; 259.35,100.79 D105.B10 ; D105.B10 260.16,101.6 ; D105.B10 258.54,101.6 ; D105.B10 259.35,102.41 ; 183.15,57.61 D103.B9 ; D103.B9 182.34,58.42 ; D103.B9 183.96,58.42 ; D103.B9 183.15,59.23 ; UHC230.G3_3 44.38,356.1 ; UHC230.G3_3 43.57,355.29 ; UHC230.G3_3 44.38,354.48 ; UHC230.G3_3 45.19,355.29 ; D428.B2 127.27,399.59 ; D428.B2 128.08,398.78 ; D428.B2 126.46,398.78 ; D428.B2 127.27,397.97 ; D104.A3 168.72,33.02 ; D104.A3 167.1,33.02 ; D104.A3 167.91,32.21 ; D104.A3 167.91,33.83 ; 245.84,93.98 D105.A5 ; D105.A5 247.46,93.98 ; D105.A5 246.65,93.17 ; D105.A5 246.65,94.79 ; DPS2.A05 193.31,416.1 ; DPS2.A05 192.5,415.29 ; DPS2.A05 194.12,415.29 ; DPS2.A05 193.31,414.48 ; 268.7,40.64 D108.B14 ; D108.B14 269.51,39.83 ; D108.B14 269.51,41.45 ; D108.B14 270.32,40.64 ; 169.64,388.62 D116.B14 ; D116.B14 170.45,387.81 ; D116.B14 171.26,388.62 ; D116.B14 170.45,389.43 ; 174.72,81.28 D102.B6 ; D102.B6 175.53,82.09 ; D102.B6 175.53,80.47 ; D102.B6 176.34,81.28 ; D112.B2 275.4,388.62 ; D112.B2 274.59,389.43 ; D112.B2 273.78,388.62 ; D112.B2 274.59,387.81 ; D118.A1 15.51,74.47 ; D118.A1 16.32,73.66 ; D118.A1 15.51,72.85 ; D118.A1 14.7,73.66 ; 172.18,355.6 D114.A13 ; D114.A13 172.99,354.79 ; D114.A13 173.8,355.6 ; D114.A13 172.99,356.41 ; CSDPS426.C3 125.54,360.68 ; CSDPS426.C3 124.73,359.87 ; CSDPS426.C3 124.73,361.49 ; CSDPS426.C3 123.92,360.68 ; 174.72,393.7 D116.A12 ; D116.A12 175.53,392.89 ; D116.A12 176.34,393.7 ; D116.A12 175.53,394.51 ; UHC430.G1_9 18.84,360.2 ; UHC430.G1_9 17.22,360.2 ; UHC430.G1_9 18.03,359.39 ; UHC430.G1_9 18.03,361.01 ; 106.14,332.74 CSDPS225.B10 ; CSDPS225.B10 106.95,333.55 ; CSDPS225.B10 107.76,332.74 ; CSDPS225.B10 106.95,331.93 ; 266.16,355.6 D110.A5 ; D110.A5 266.97,356.41 ; D110.A5 266.97,354.79 ; D110.A5 267.78,355.6 ; 103.6,33.02 D124.A7 ; D124.A7 105.22,33.02 ; D124.A7 104.41,32.21 ; D124.A7 104.41,33.83 ; D124.A13 120.46,33.02 ; D124.A13 118.84,33.02 ; D124.A13 119.65,32.21 ; D124.A13 119.65,33.83 ; D122.A2 92.52,76.2 ; D122.A2 90.9,76.2 ; D122.A2 91.71,75.39 ; D122.A2 91.71,77.01 ; D105.B5 247.46,99.06 ; D105.B5 246.65,98.25 ; D105.B5 245.84,99.06 ; D105.B5 246.65,99.87 ; D111.B7 261.89,371.65 ; D111.B7 261.89,370.03 ; D111.B7 262.7,370.84 ; D111.B7 261.08,370.84 ; 113.76,78.74 D122.B11 ; D122.B11 115.38,78.74 ; D122.B11 114.57,79.55 ; D122.B11 114.57,77.93 ; 106.14,81.28 D122.B8 ; D122.B8 106.95,80.47 ; D122.B8 106.95,82.09 ; D122.B8 107.76,81.28 ; D107.B14 270.32,60.96 ; D107.B14 269.51,61.77 ; D107.B14 268.7,60.96 ; D107.B14 269.51,60.15 ; 29.94,375.92 D231.A11 ; D231.A11 30.75,375.11 ; D231.A11 30.75,376.73 ; D231.A11 31.56,375.92 ; D113.A13 172.99,336.09 ; D113.A13 172.99,334.47 ; D113.A13 172.18,335.28 ; D113.A13 173.8,335.28 ; D109.B14 244.92,327.66 ; D109.B14 243.3,327.66 ; D109.B14 244.11,326.85 ; D109.B14 244.11,328.47 ; D112.A6 264.43,394.51 ; D112.A6 264.43,392.89 ; D112.A6 263.62,393.7 ; D112.A6 265.24,393.7 ; D228.A2 128.08,393.7 ; D228.A2 127.27,394.51 ; D228.A2 127.27,392.89 ; D228.A2 126.46,393.7 ; 114.57,395.43 D228.A7 ; D228.A7 115.38,396.24 ; D228.A7 113.76,396.24 ; D228.A7 114.57,397.05 ; 33.29,60.15 D119.B8 ; D119.B8 33.29,61.77 ; D119.B8 34.1,60.96 ; D119.B8 32.48,60.96 ; 117.11,397.97 D428.B6 ; D428.B6 116.3,398.78 ; D428.B6 117.92,398.78 ; D428.B6 117.11,399.59 ; D427.B15 95.06,381 ; D427.B15 94.25,381.81 ; D427.B15 93.44,381 ; D427.B15 94.25,380.19 ; DPS3.B05 99.33,17.32 ; DPS3.B05 100.14,16.51 ; DPS3.B05 98.52,16.51 ; DPS3.B05 99.33,15.7 ; 27.4,398.78 D432.B12 ; D432.B12 28.21,397.97 ; D432.B12 28.21,399.59 ; D432.B12 29.02,398.78 ; D428.B8 112.84,398.78 ; D428.B8 112.03,399.59 ; D428.B8 112.03,397.97 ; D428.B8 111.22,398.78 ; D107.B5 246.65,59.23 ; D107.B5 245.84,58.42 ; D107.B5 246.65,57.61 ; D107.B5 247.46,58.42 ; D118.A5 26.48,73.66 ; D118.A5 25.67,72.85 ; D118.A5 24.86,73.66 ; D118.A5 25.67,74.47 ; 254.27,95.71 D105.A8 ; D105.A8 253.46,96.52 ; D105.A8 254.27,97.33 ; D105.A8 255.08,96.52 ; D122.A12 117.92,76.2 ; D122.A12 117.11,75.39 ; D122.A12 117.11,77.01 ; D122.A12 116.3,76.2 ; 48.98,354.48 UHC230.G3_1 ; UHC230.G3_1 49.79,355.29 ; UHC230.G3_1 48.98,356.1 ; UHC230.G3_1 48.17,355.29 ; DPS2.B11 178.88,412.75 ; DPS2.B11 178.07,413.56 ; DPS2.B11 178.07,411.94 ; DPS2.B11 177.26,412.75 ; D112.B4 270.32,388.62 ; D112.B4 268.7,388.62 ; D112.B4 269.51,389.43 ; D112.B4 269.51,387.81 ; 236.49,37.29 D108.B1 ; D108.B1 236.49,38.91 ; D108.B1 235.68,38.1 ; D108.B1 237.3,38.1 ; 14.7,396.24 D232.A17 ; D232.A17 15.51,397.05 ; D232.A17 16.32,396.24 ; D232.A17 15.51,395.43 ; CSDPS425.C13 99.33,341.17 ; CSDPS425.C13 99.33,339.55 ; CSDPS425.C13 100.14,340.36 ; CSDPS425.C13 98.52,340.36 ; 245.84,396.24 D112.A13 ; D112.A13 246.65,397.05 ; D112.A13 247.46,396.24 ; D112.A13 246.65,395.43 ; 188.23,93.17 D101.A11 ; D101.A11 188.23,94.79 ; D101.A11 189.04,93.98 ; D101.A11 187.42,93.98 ; UHC430.G1_11 19.99,358.45 ; UHC430.G1_11 19.18,359.26 ; UHC430.G1_11 19.18,357.64 ; UHC430.G1_11 18.37,358.45 ; 127.27,60.15 D123.B16 ; D123.B16 126.46,60.96 ; D123.B16 128.08,60.96 ; D123.B16 127.27,61.77 ; 94.25,370.03 D227.B15 ; D227.B15 93.44,370.84 ; D227.B15 95.06,370.84 ; D227.B15 94.25,371.65 ; D116.B6 190.77,389.43 ; D116.B6 190.77,387.81 ; D116.B6 191.58,388.62 ; D116.B6 189.96,388.62 ; 19.78,53.34 D119.A3 ; D119.A3 20.59,52.53 ; D119.A3 21.4,53.34 ; D119.A3 20.59,54.15 ; 122.19,382.73 D427.A4 ; D427.A4 121.38,383.54 ; D427.A4 123,383.54 ; D427.A4 122.19,384.35 ; D114.B9 183.15,351.33 ; D114.B9 182.34,350.52 ; D114.B9 183.96,350.52 ; D114.B9 183.15,349.71 ; D428.A4 122.19,404.67 ; D428.A4 123,403.86 ; D428.A4 121.38,403.86 ; D428.A4 122.19,403.05 ; 18.05,372.57 D231.A16 ; D231.A16 17.24,373.38 ; D231.A16 18.05,374.19 ; D231.A16 18.86,373.38 ; D111.A9 257.62,375.92 ; D111.A9 256.81,375.11 ; D111.A9 256.81,376.73 ; D111.A9 256,375.92 ; D124.B14 122.19,41.45 ; D124.B14 122.19,39.83 ; D124.B14 123,40.64 ; D124.B14 121.38,40.64 ; D121.A12 117.11,97.33 ; D121.A12 117.11,95.71 ; D121.A12 117.92,96.52 ; D121.A12 116.3,96.52 ; 162.02,38.1 D104.B1 ; D104.B1 162.83,38.91 ; D104.B1 162.83,37.29 ; D104.B1 163.64,38.1 ; 263.62,388.62 D112.B6 ; D112.B6 264.43,387.81 ; D112.B6 265.24,388.62 ; D112.B6 264.43,389.43 ; D118.A9 36.64,73.66 ; D118.A9 35.83,72.85 ; D118.A9 35.83,74.47 ; D118.A9 35.02,73.66 ; UHC430.G1_6 19.18,362.76 ; UHC430.G1_6 19.18,361.14 ; UHC430.G1_6 19.99,361.95 ; UHC430.G1_6 18.37,361.95 ; D108.B13 267.78,38.1 ; D108.B13 266.16,38.1 ; D108.B13 266.97,38.91 ; D108.B13 266.97,37.29 ; 244.11,347.17 D110.B14 ; D110.B14 244.92,347.98 ; D110.B14 243.3,347.98 ; D110.B14 244.11,348.79 ; D120.B2 18.05,41.45 ; D120.B2 18.05,39.83 ; D120.B2 17.24,40.64 ; D120.B2 18.86,40.64 ; 42.64,393.7 D232.A6 ; D232.A6 43.45,392.89 ; D232.A6 43.45,394.51 ; D232.A6 44.26,393.7 ; 51.07,395.43 D232.A3 ; D232.A3 51.88,396.24 ; D232.A3 51.07,397.05 ; D232.A3 50.26,396.24 ; D231.B1 56.15,371.65 ; D231.B1 56.15,370.03 ; D231.B1 56.96,370.84 ; D231.B1 55.34,370.84 ; DPS8.B11 31.56,412.75 ; DPS8.B11 30.75,413.56 ; DPS8.B11 29.94,412.75 ; DPS8.B11 30.75,411.94 ; 56.15,339.55 CSDPS429.C1 ; CSDPS429.C1 56.96,340.36 ; CSDPS429.C1 55.34,340.36 ; CSDPS429.C1 56.15,341.17 ; D231.A10 34.1,373.38 ; D231.A10 33.29,372.57 ; D231.A10 32.48,373.38 ; D231.A10 33.29,374.19 ; UHC430.G1_1 19.99,365.45 ; UHC430.G1_1 18.37,365.45 ; UHC430.G1_1 19.18,364.64 ; UHC430.G1_1 19.18,366.26 ; 167.91,72.85 D102.A3 ; D102.A3 167.1,73.66 ; D102.A3 168.72,73.66 ; D102.A3 167.91,74.47 ; D231.A15 20.59,376.73 ; D231.A15 21.4,375.92 ; D231.A15 20.59,375.11 ; D231.A15 19.78,375.92 ; CSDPS429.B10 33.29,343.71 ; CSDPS429.B10 34.1,342.9 ; CSDPS429.B10 32.48,342.9 ; CSDPS429.B10 33.29,342.09 ; D428.A12 102.68,403.86 ; D428.A12 101.87,404.67 ; D428.A12 101.87,403.05 ; D428.A12 101.06,403.86 ; 96.79,397.97 D428.B14 ; D428.B14 95.98,398.78 ; D428.B14 96.79,399.59 ; D428.B14 97.6,398.78 ; D123.B2 91.71,61.77 ; D123.B2 90.9,60.96 ; D123.B2 92.52,60.96 ; D123.B2 91.71,60.15 ; 20.59,395.43 D232.A15 ; D232.A15 21.4,396.24 ; D232.A15 20.59,397.05 ; D232.A15 19.78,396.24 ; 90.9,398.78 D428.B16 ; D428.B16 92.52,398.78 ; D428.B16 91.71,399.59 ; D428.B16 91.71,397.97 ; D102.B5 172.99,79.55 ; D102.B5 172.18,78.74 ; D102.B5 173.8,78.74 ; D102.B5 172.99,77.93 ; D102.A5 173.8,73.66 ; D102.A5 172.18,73.66 ; D102.A5 172.99,74.47 ; D102.A5 172.99,72.85 ; 124.73,72.85 D122.A15 ; D122.A15 125.54,73.66 ; D122.A15 124.73,74.47 ; D122.A15 123.92,73.66 ; 200.93,352.25 D114.A2 ; D114.A2 200.93,353.87 ; D114.A2 201.74,353.06 ; D114.A2 200.12,353.06 ; D432.B16 18.86,398.78 ; D432.B16 18.05,399.59 ; D432.B16 17.24,398.78 ; D432.B16 18.05,397.97 ; 42.64,403.86 D432.A6 ; D432.A6 43.45,403.05 ; D432.A6 43.45,404.67 ; D432.A6 44.26,403.86 ; 35.83,37.29 D120.B9 ; D120.B9 35.02,38.1 ; D120.B9 36.64,38.1 ; D120.B9 35.83,38.91 ; D124.A15 124.73,33.83 ; D124.A15 124.73,32.21 ; D124.A15 125.54,33.02 ; D124.A15 123.92,33.02 ; 240.76,33.02 D108.A3 ; D108.A3 242.38,33.02 ; D108.A3 241.57,32.21 ; D108.A3 241.57,33.83 ; 190.77,331.93 D113.A6 ; D113.A6 191.58,332.74 ; D113.A6 190.77,333.55 ; D113.A6 189.96,332.74 ; D123.B12 117.92,60.96 ; D123.B12 117.11,60.15 ; D123.B12 116.3,60.96 ; D123.B12 117.11,61.77 ; D227.A10 107.76,373.38 ; D227.A10 106.95,372.57 ; D227.A10 106.14,373.38 ; D227.A10 106.95,374.19 ; 23.13,392.89 D232.A14 ; D232.A14 23.94,393.7 ; D232.A14 23.13,394.51 ; D232.A14 22.32,393.7 ; D120.A6 29.02,35.56 ; D120.A6 27.4,35.56 ; D120.A6 28.21,36.37 ; D120.A6 28.21,34.75 ; D112.B9 257.62,391.16 ; D112.B9 256.81,391.97 ; D112.B9 256.81,390.35 ; D112.B9 256,391.16 ; 89.17,380.19 D427.B17 ; D427.B17 89.98,381 ; D427.B17 88.36,381 ; D427.B17 89.17,381.81 ; DPS8.C05 46.8,410.21 ; DPS8.C05 45.99,409.4 ; DPS8.C05 45.18,410.21 ; DPS8.C05 45.99,411.02 ; CSDPS225.B6 117.11,333.55 ; CSDPS225.B6 116.3,332.74 ; CSDPS225.B6 117.11,331.93 ; CSDPS225.B6 117.92,332.74 ; D104.A7 178.88,33.02 ; D104.A7 178.07,32.21 ; D104.A7 177.26,33.02 ; D104.A7 178.07,33.83 ; D428.A9 109.49,407.21 ; D428.A9 108.68,406.4 ; D428.A9 109.49,405.59 ; D428.A9 110.3,406.4 ; D432.B8 39.18,398.78 ; D432.B8 38.37,397.97 ; D432.B8 38.37,399.59 ; D432.B8 37.56,398.78 ; D108.A12 265.24,35.56 ; D108.A12 264.43,34.75 ; D108.A12 263.62,35.56 ; D108.A12 264.43,36.37 ; D104.A14 196.66,35.56 ; D104.A14 195.04,35.56 ; D104.A14 195.85,36.37 ; D104.A14 195.85,34.75 ; D123.A2 91.71,56.69 ; D123.A2 92.52,55.88 ; D123.A2 90.9,55.88 ; D123.A2 91.71,55.07 ; D107.B8 255.08,60.96 ; D107.B8 254.27,60.15 ; D107.B8 254.27,61.77 ; D107.B8 253.46,60.96 ; D110.B4 269.51,348.79 ; D110.B4 269.51,347.17 ; D110.B4 270.32,347.98 ; D110.B4 268.7,347.98 ; UHC430.G2 46.68,362.76 ; UHC430.G2 46.68,361.14 ; UHC430.G2 47.49,361.95 ; UHC430.G2 45.87,361.95 ; 108.68,330.2 CSDPS225.C9 ; CSDPS225.C9 109.49,329.39 ; CSDPS225.C9 110.3,330.2 ; CSDPS225.C9 109.49,331.01 ; 95.98,373.38 D227.A14 ; D227.A14 97.6,373.38 ; D227.A14 96.79,374.19 ; D227.A14 96.79,372.57 ; 258.54,60.96 D107.B10 ; D107.B10 259.35,60.15 ; D107.B10 260.16,60.96 ; D107.B10 259.35,61.77 ; D113.A3 199.2,335.28 ; D113.A3 198.39,336.09 ; D113.A3 197.58,335.28 ; D113.A3 198.39,334.47 ; 55.34,375.92 D231.A1 ; D231.A1 56.96,375.92 ; D231.A1 56.15,375.11 ; D231.A1 56.15,376.73 ; 172.18,38.1 D104.B5 ; D104.B5 173.8,38.1 ; D104.B5 172.99,37.29 ; D104.B5 172.99,38.91 ; CSDPS429.B12 29.02,342.9 ; CSDPS429.B12 28.21,343.71 ; CSDPS429.B12 27.4,342.9 ; CSDPS429.B12 28.21,342.09 ; 175.53,372.57 D115.A12 ; D115.A12 175.53,374.19 ; D115.A12 174.72,373.38 ; D115.A12 176.34,373.38 ; 122.19,377.65 D427.B4 ; D427.B4 121.38,378.46 ; D427.B4 122.19,379.27 ; D427.B4 123,378.46 ; D227.B7 115.38,370.84 ; D227.B7 114.57,371.65 ; D227.B7 114.57,370.03 ; D227.B7 113.76,370.84 ; D227.B11 105.22,370.84 ; D227.B11 104.41,371.65 ; D227.B11 104.41,370.03 ; D227.B11 103.6,370.84 ; 245.84,38.1 D108.B5 ; D108.B5 247.46,38.1 ; D108.B5 246.65,38.91 ; D108.B5 246.65,37.29 ; D106.B13 266.97,79.55 ; D106.B13 267.78,78.74 ; D106.B13 266.16,78.74 ; D106.B13 266.97,77.93 ; 197.58,396.24 D116.A3 ; D116.A3 198.39,395.43 ; D116.A3 198.39,397.05 ; D116.A3 199.2,396.24 ; D104.A12 191.58,35.56 ; D104.A12 190.77,34.75 ; D104.A12 189.96,35.56 ; D104.A12 190.77,36.37 ; D121.A16 127.27,97.33 ; D121.A16 127.27,95.71 ; D121.A16 126.46,96.52 ; D121.A16 128.08,96.52 ; D113.A14 171.26,332.74 ; D113.A14 170.45,331.93 ; D113.A14 170.45,333.55 ; D113.A14 169.64,332.74 ; 200.93,80.47 D102.B16 ; D102.B16 201.74,81.28 ; D102.B16 200.12,81.28 ; D102.B16 200.93,82.09 ; CSDPS229.B10 34.1,332.74 ; CSDPS229.B10 33.29,331.93 ; CSDPS229.B10 32.48,332.74 ; CSDPS229.B10 33.29,333.55 ; 261.89,13.16 DPS1.A11 ; DPS1.A11 261.08,13.97 ; DPS1.A11 262.7,13.97 ; DPS1.A11 261.89,14.78 ; 244.11,75.39 D106.A4 ; D106.A4 243.3,76.2 ; D106.A4 244.11,77.01 ; D106.A4 244.92,76.2 ; 116.3,342.9 CSDPS425.B6 ; CSDPS425.B6 117.92,342.9 ; CSDPS425.B6 117.11,342.09 ; CSDPS425.B6 117.11,343.71 ; 195.85,100.79 D101.B14 ; D101.B14 195.85,102.41 ; D101.B14 196.66,101.6 ; D101.B14 195.04,101.6 ; 202.66,335.28 D113.A1 ; D113.A1 203.47,336.09 ; D113.A1 203.47,334.47 ; D113.A1 204.28,335.28 ; D115.B10 180.61,369.11 ; D115.B10 179.8,368.3 ; D115.B10 181.42,368.3 ; D115.B10 180.61,367.49 ; 47.72,368.3 D231.B4 ; D231.B4 48.53,367.49 ; D231.B4 49.34,368.3 ; D231.B4 48.53,369.11 ; D109.A16 239.03,333.55 ; D109.A16 238.22,332.74 ; D109.A16 239.84,332.74 ; D109.A16 239.03,331.93 ; D120.A14 49.34,35.56 ; D120.A14 48.53,36.37 ; D120.A14 47.72,35.56 ; D120.A14 48.53,34.75 ; 108.68,370.84 D227.B9 ; D227.B9 109.49,371.65 ; D227.B9 109.49,370.03 ; D227.B9 110.3,370.84 ; 190.77,75.39 D102.A12 ; D102.A12 191.58,76.2 ; D102.A12 189.96,76.2 ; D102.A12 190.77,77.01 ; D227.B14 97.6,368.3 ; D227.B14 95.98,368.3 ; D227.B14 96.79,367.49 ; D227.B14 96.79,369.11 ; 251.73,32.21 D108.A7 ; D108.A7 252.54,33.02 ; D108.A7 251.73,33.83 ; D108.A7 250.92,33.02 ; D228.A6 117.92,393.7 ; D228.A6 117.11,392.89 ; D228.A6 117.11,394.51 ; D228.A6 116.3,393.7 ; 101.87,382.73 D427.A12 ; D427.A12 101.06,383.54 ; D427.A12 102.68,383.54 ; D427.A12 101.87,384.35 ; D106.A6 250,76.2 ; D106.A6 249.19,75.39 ; D106.A6 248.38,76.2 ; D106.A6 249.19,77.01 ; 187.42,396.24 D116.A7 ; D116.A7 188.23,395.43 ; D116.A7 188.23,397.05 ; D116.A7 189.04,396.24 ; D107.B9 257.62,58.42 ; D107.B9 256.81,59.23 ; D107.B9 256,58.42 ; D107.B9 256.81,57.61 ; D113.B4 195.85,328.47 ; D113.B4 195.04,327.66 ; D113.B4 195.85,326.85 ; D113.B4 196.66,327.66 ; D115.B4 195.85,369.11 ; D115.B4 196.66,368.3 ; D115.B4 195.04,368.3 ; D115.B4 195.85,367.49 ; 109.49,37.29 D124.B9 ; D124.B9 110.3,38.1 ; D124.B9 108.68,38.1 ; D124.B9 109.49,38.91 ; D110.A3 272.05,356.41 ; D110.A3 272.05,354.79 ; D110.A3 271.24,355.6 ; D110.A3 272.86,355.6 ; DPS1.C11 261.89,19.86 ; DPS1.C11 261.08,19.05 ; DPS1.C11 262.7,19.05 ; DPS1.C11 261.89,18.24 ; 48.53,403.05 D432.A4 ; D432.A4 48.53,404.67 ; D432.A4 47.72,403.86 ; D432.A4 49.34,403.86 ; D105.A14 269.51,97.33 ; D105.A14 269.51,95.71 ; D105.A14 268.7,96.52 ; D105.A14 270.32,96.52 ; 249.19,387.81 D112.B12 ; D112.B12 250,388.62 ; D112.B12 248.38,388.62 ; D112.B12 249.19,389.43 ; CSDPS226.C5 120.46,350.52 ; CSDPS226.C5 119.65,349.71 ; CSDPS226.C5 118.84,350.52 ; CSDPS226.C5 119.65,351.33 